# Altium PCB PCB_v1.PcbDoc (part 3 of 8)
Units mil, origin at the board's own origin, x right, y up, seen from the top; angles counter-clockwise.
Board outline 17000 x 5250 mil, 4 copper layers (Top Side, Ground Layer, Power Layer, Bottom Side), stack 33.2 mil thick; 637 components, 583 nets, 2779 pads, 978 vias.
Unrouted connection lines stored in the file: 104.
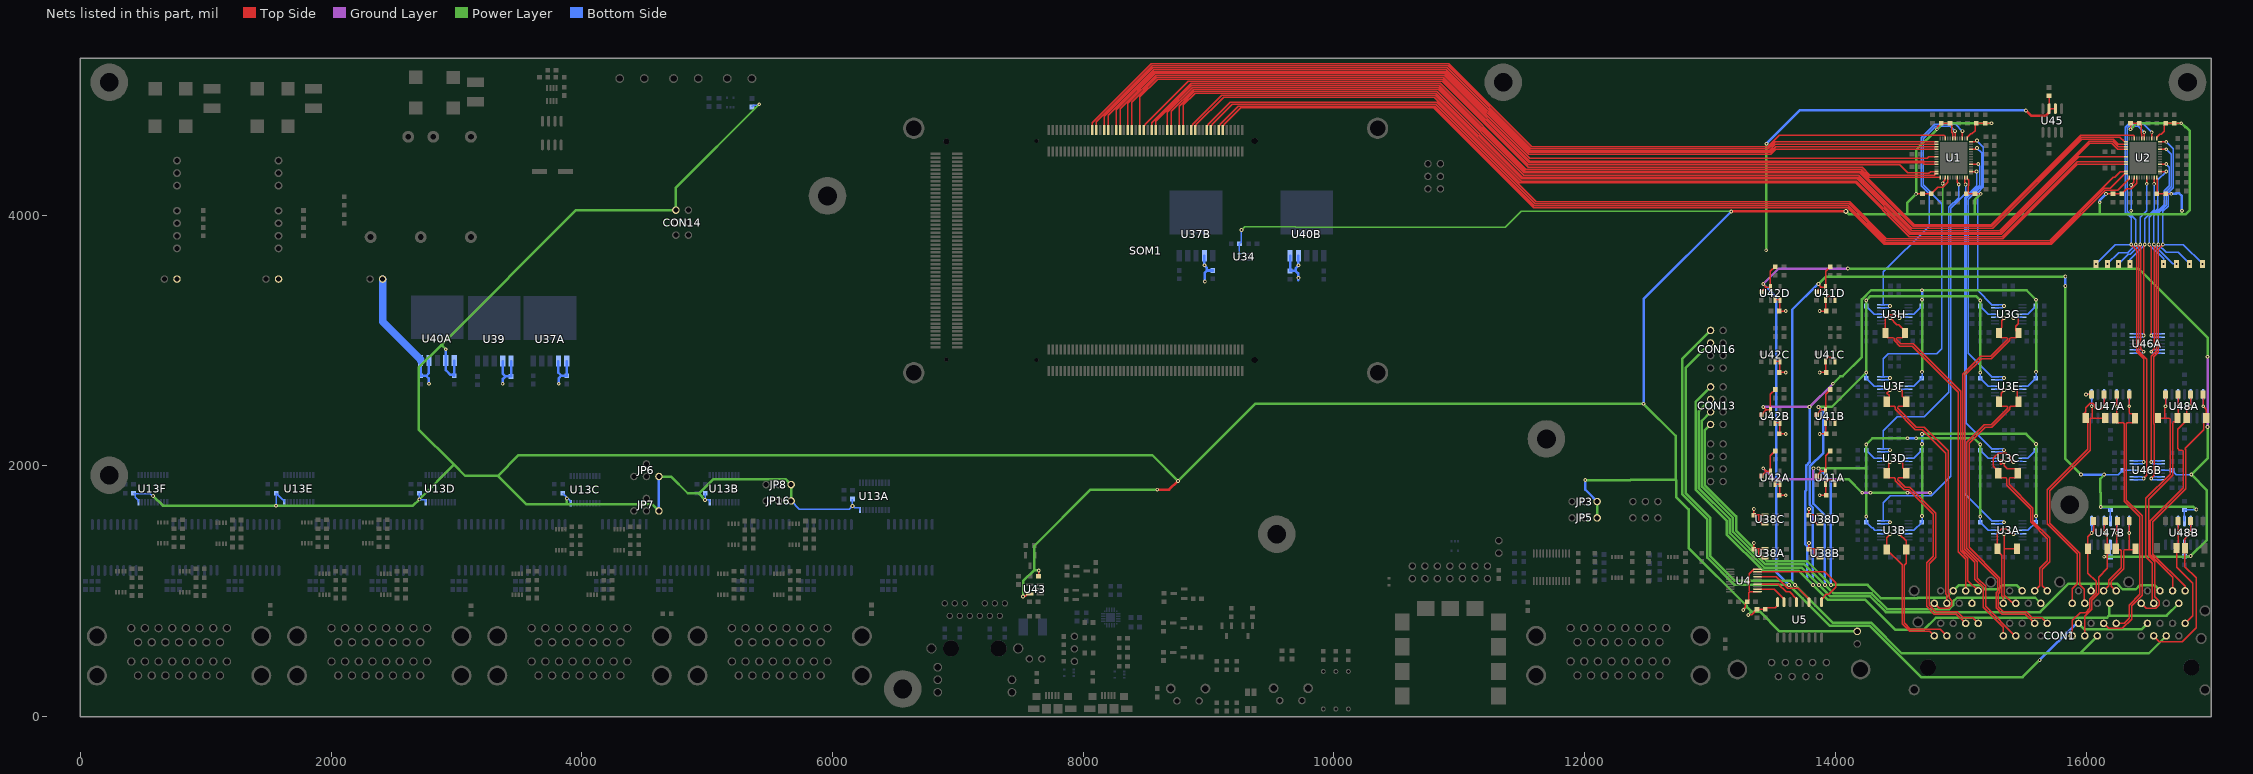
[diagram p5: the nets of this part, all layers, seen from the top]

## Via types
v1: diameter 30, hole 15, Top Side to Bottom Side, 913 vias
v2: diameter 25, hole 15, Top Side to Bottom Side, 30 vias
v3: diameter 60, hole 30, Top Side to Bottom Side, 29 vias
v4: diameter 50, hole 28, Top Side to Bottom Side, 4 vias
v5: diameter 40, hole 20, Top Side to Bottom Side, 2 vias

## Nets (pads, with @x,y where several pads share a name; then routed paths per layer and width w, separated by ;. In a path a pad name is that pad's centre, name@x,y a point inside that pad or via, vN(x,y) a via of type N, cw(c..) or ccw(c..) an arc to the next point about the centre after c; other vN are vias at no path point) (continued)
5.5V: C157A.1 C157B.1 C159A.1 C159B.1 C159C.1 C159D.1 C161.1 C163A.1 C163B.1 C177.1 JP14.1 U37A.1 U37A.2 U37B.2 U38A.1 U38A.3 U38B.1 U38B.3 U38C.1 U38C.3 U38D.1 U38D.3 U39.1 U39.2 U40A.4 U40A.5 U40B.4 U40B.5 U45.2 U45.3 | length 6903.9
  Top Side w10: C159A.1@13350,1335.87 13353.94,1339.8 13390,1339.8 ; C159A.1@13350,1339.8 v1(13350,1385) ; C159C.1@13350,1605.87 13353.94,1609.8 13390,1609.8 ; C159C.1@13350,1609.8 v1(13350,1655) ; U38A.3@13437.68,1265 13419.96,1265 13390,1294.96 13390,1339.8 ; U38A.1@13437.68,1339.8 13390,1339.8 ; U38C.3@13437.68,1535 13419.96,1535 13390,1564.96 13390,1609.8 ; U38C.1@13437.68,1609.8 13390,1609.8 ; C159B.1@13790,1335.87 13793.94,1339.8 13830,1339.8 ; C159B.1@13790,1339.8 v1(13790,1385) ; C159D.1@13790,1605.87 13793.94,1609.8 13830,1609.8 ; C159D.1@13790,1609.8 v1(13790,1655) ; U38B.3@13877.68,1265 13859.96,1265 13830,1294.96 13830,1339.8 ; U38B.1@13877.68,1339.8 13830,1339.8 ; U38D.3@13877.68,1535 13859.96,1535 13830,1564.96 13830,1609.8 ; U38D.1@13877.68,1609.8 13830,1609.8 ; U45.3@15705,4849.49 15705.25,4849.73 15705.25,4951.29 C177.1@15705,4951.54 ; U45.3@15705.25,4849.49 U45.2@15755.25,4849.49
  Top Side w20: v1(15520,4835) 15563.82,4791.18 15677.46,4791.18 15705.25,4818.97 U45.3@15705.25,4849.49
  Power Layer w20: v1(13448.4,3720) 13449.2,3720.8 13449.2,4569.2 v1(13450,4570)
  Bottom Side w20: U40A.5@2713.41,2840 C163A.1@2713.41,2718.46 2758.46,2718.46 ; v1(2780,2655) 2778.09,2656.91 2778.09,2698.84 2758.46,2718.46 ; U40A.4@2780.41,2840 2780.41,2740.41 2758.46,2718.46 ; v1(3368,2655) 3369.91,2656.91 3369.91,2693.38 3390,2713.46 ; U39.2@3368,2835.65 3368,2735.46 3390,2713.46 ; U39.1@3435,2835.65 C161.1@3435,2713.46 3390,2713.46 ; U37A.2@3813,2835.65 3813,2742.54 3835.54,2719.99 ; v1(3816,2655) 3816,2700.45 3835.54,2719.99 ; U37A.1@3880,2835.65 C157A.1@3880,2719.99 3835.54,2719.99 ; U37B.2@8967.02,3676.54 8967.02,3597.29 8987.17,3577.15 8987.17,3558.46 ; v1(8970.02,3470) 8970.02,3541.32 8987.17,3558.46 ; C157B.1@9034.02,3558.46 8987.17,3558.46 ; U40B.5@9649.88,3676.54 C163B.1@9649.88,3555 9694.94,3555 ; 9716.88,3481.66 v1(9716.88,3500) 9714.97,3501.91 9714.97,3534.97 9694.94,3555 ; U40B.4@9716.88,3676.54 9716.88,3597.29 9694.94,3575.35 9694.94,3555 ; v1(13450,4570) 13715,4835 v1(15520,4835)
  Bottom Side w60: JP14.1@2410,3490 2410,3149.41 2713.41,2846 U40A.5@2713.41,2840
  other v1: 8967.02,3600 9716.88,3600
5V: C3.1 C4.1 C8.1 C9.1 C13.1 C14.1 C17.1 C18.1 C26.1 C27.1 C33.1 C34.1 C39.1 C40.1 C45.1 C46.1 C53.1 C54.1 C55.1 C86.1 C91A.1 C91B.1 C91C.1 C91D.1 C91E.1 C91F.1 C164A.1 CON14.5 JP1.1 JP3.3 JP5.3 JP6.3 JP7.3 JP8.3 JP16.3 R13.1 R45.2 U1.15 U1.21 U1.43 U1.44 U1.52 U2.15 U2.21 U2.43 U2.44 U2.52 U4.1 U4.10 U5.16 U13A.20 U13B.20 U13C.20 U13D.20 U13E.20 U13F.20 U34.6 U40A.1 U40A.2 U43.5 | length 44359.7
  Top Side w10: v1(7520,957.02) 7523.83,960.85 7538.21,960.85 7554.96,977.6 U43.5@7572.68,977.6 ; R45.2@7643.46,1120 7645,1121.54 v1(7645,1165) ; v1(13265,850) 13265,855.41 13282.83,873.25 13282.83,901.54 C54.1@13296.54,915.24 13310.24,928.94 13310.24,988.31 13318.58,996.65 ; v1(13305,810) 13308.83,813.83 13333.7,813.83 C55.1@13375,855.12 C53.1@13440,855.12 13453.7,868.82 13519.72,868.82 13540,889.11 U5.16@13540,912.98 ; U4.1@13379.25,996.65 13318.58,996.65 ; U4.10@13379.25,1173.82 13350.22,1173.82 13346.44,1170.04 13344.12,1170.04 13312.72,1138.64 13312.72,1002.51 13318.58,996.65 ; v1(14645,4170) C14.1@14695,4170 C13.1@14765,4170 14816.83,4221.83 14856.66,4221.83 14895.79,4260.97 U1.44@14895.79,4301.04 ; v1(14810,4685) 14813.83,4688.83 14813.83,4701.9 C4.1@14845,4733.07 C3.1@14915,4733.07 14928.7,4719.37 14928.7,4660.94 14935.16,4654.49 U1.21@14935.16,4612.04 ; v1(14856.42,4253.41) 14856.42,4258.83 14874.39,4276.8 14874.39,4289.32 14876.1,4291.04 U1.43@14876.1,4301.04 ; U1.52@15053.27,4301.04 15053.27,4291.04 15065,4279.3 15065,4234.64 15058.7,4228.35 15058.7,4183.7 C18.1@15045,4170 C17.1@15115,4170 v1(15160,4170) ; U1.15@15053.27,4612.04 15053.27,4622.04 15080.07,4648.84 15089.2,4648.84 15115,4674.64 15115,4723.07 C8.1@15125,4733.07 C9.1@15195,4733.07 v1(15245,4733.07) ; v1(16160,4170) C39.1@16215,4170 C40.1@16285,4170 16325,4210 16361.82,4210 16405.79,4253.97 U2.44@16405.79,4301.04 ; v1(16355,4685) C34.1@16355,4733.07 C33.1@16425,4733.07 16438.7,4719.37 16438.7,4651.46 16445.16,4645 U2.21@16445.16,4612.04 ; v1(16360,4240) 16382.42,4262.42 16382.42,4287.35 16386.1,4291.04 U2.43@16386.1,4301.04 ; U2.52@16563.27,4301.04 16563.27,4291.04 16568.58,4285.72 16568.58,4173.58 C46.1@16565,4170 C45.1@16635,4170 v1(16680,4170) ; U2.15@16563.27,4612.04 16563.27,4622.04 16587.57,4646.34 16601.7,4646.34 16625,4669.64 16625,4723.07 C27.1@16635,4733.07 C26.1@16705,4733.07 v1(16760,4733.07)
  Top Side w20: v1(8590,1810) 8685.31,1810 v1(8755.31,1880) ; v1(13170,4030) v5(14085,4030)
  Power Layer w10: v1(9263.11,3881.54) 9288.11,3906.54 9694.72,3906.54 9697.31,3903.94 11367.92,3903.94 11493.98,4030 v1(13170,4030) ; v1(14856.42,4253.41) 14858.07,4251.76 14858.07,4006 ; 16360,4006 v1(16360,4035)
  Power Layer w20: v1(580,1760) 657.98,1682.02 v1@1557.98,1682.02 ; v1@1562.02,1682.02 2652.73,1682.02 v1(2703.31,1732.6) 2703.31,1733.31 2979.99,2009.99 ; v1@2916.32,2931.91 v1(2914.41,2930) 2880,2964.41 2880,2965.69 ; v1(3880,1740) 3878.09,1738.09 3878.09,1696.43 3876.65,1695 ; JP7.3@4615,1640 4560,1695 3876.65,1695 ; JP6.3@4615,1914.99 4710.94,1914.99 4844.62,1781.31 4929.74,1781.31 ; v1(4983.31,1727.74) 4933.02,1778.02 5050,1895 5624.83,1895 JP8.3@5669.83,1850 5669.91,1849.91 5669.91,1720.09 JP16.3@5670,1720 ; v1(5415,4885) 4750,4220 CON14.5@4750,4040 3954.31,4040 2880,2965.69 ; v1(7520,957.02) 7520,1080 7610,1170 ; v1(7645,1165) 7643.09,1166.91 7613.09,1166.91 7610,1170 ; v1(8590,1810) 8057.57,1810 7610,1362.43 7610,1170 ; v1(12005,1887) 12364.85,1887 12367.85,1890 12725,1890 ; JP5.3@12100,1585 JP3.3@12100,1715 ; v1(13265,850) 13291.54,876.54 ; v1(13305,810) 13331.54,836.54 ; v5(14085,4030) 14109,4006 14575,4006 ; JP1.1@14175,680 13555.77,680 13399.23,836.54 13331.54,836.54 ; v1(15160,4170) 15111.29,4121.29 15111.29,4006 ; v1(15245,4733.07) 14858.07,4733.07 v1(14810,4685) 14645,4520 v1(14645,4170) 14575,4100 14575,4006 ; v1(16110,4103.07) 16110,4006 ; v1(16355,4685) 16403.07,4733.07 v1(16760,4733.07) 16761.08,4733.07 16792.36,4701.79 16799.1,4701.79 16828.46,4672.43 16828.46,4041.18 16793.28,4006 16765,4006 ; v1(16765,4035) 16765,4006 ; 2880,2965.69 2698.41,2784.1 2698.41,2291.58 2979.99,2009.99 ; 2979.99,2009.99 3070,1919.99 3329.99,1919.99 ; 3329.99,1919.99 3494.99,2084.99 8550.32,2084.99 v1(8755.31,1880) 9370.31,2495 v1(12470,2495) 12725,2240 12725,1890 ; 3329.99,1919.99 3554.98,1695 3876.65,1695 ; 12725,1890 12730,1885 12730,1751.9 12830,1651.9 12830,1345.15 13291.54,883.61 13291.54,876.54 ; 13291.54,876.54 13331.54,836.54 ; 14575,4006 14858.07,4006 15111.29,4006 ; 15111.29,4006 16110,4006 ; 16110,4006 16360,4006 16765,4006
  Bottom Side w10: C91F.1@423.09,1782.6 C91F.1@428.51,1777.18 ; U13F.20@462.72,1709.09 462.72,1724.84 436.8,1750.76 436.8,1768.9 C91F.1@428.51,1777.18 ; v1(580,1760) 574.59,1760 557.41,1777.18 C91F.1@428.51,1777.18 ; v1(1560,1682.02) 1560,1781.43 C91E.1@1561.17,1782.6 1615.06,1728.7 1622.09,1728.7 1625.94,1724.84 U13E.20@1625.94,1709.09 ; v1(2703.31,1732.6) 2703.31,1781.67 C91D.1@2704.24,1782.6 ; v1@2712.62,1728.7 2750.91,1728.7 2754.76,1724.84 U13D.20@2754.76,1709.09 ; C91C.1@3847.31,1782.6 3876.17,1753.73 3876.17,1743.87 3883.87,1736.17 3892.02,1736.17 3910.94,1717.24 U13C.20@3910.94,1709.09 ; C91B.1@4985.38,1782.6 4983.31,1780.53 4983.31,1732.6 4988.17,1727.74 5016.17,1727.74 5020.02,1723.88 U13B.20@5020.02,1709.09 U13B.20@5020.02,1708.35 ; R13.1@5356.85,4863.07 5370.55,4876.77 5401.36,4876.77 ; JP16.3@5670,1720 5735.04,1654.96 6133.31,1654.96 v1(6158.31,1679.96) ; C91A.1@6158.45,1734.96 6158.31,1734.82 v1(6158.31,1679.96) ; U13A.20@6218.24,1646.5 6218.24,1662.24 6214.39,1666.1 6177.58,1666.1 6163.72,1679.96 v1(6158.31,1679.96) ; U34.6@9245.71,3692.13 9245.71,3770.67 C86.1@9246.58,3771.54 9260.28,3785.24 9260.28,3878.7 v1(9263.11,3881.54) ; v1(16360,4035) v1(16360,4240)
  Bottom Side w20: v1(2914.41,2930) U40A.2@2914.41,2840 2914.41,2764.67 2952.71,2726.37 2973.5,2726.37 C164A.1@2981.41,2718.46 U40A.1@2981.41,2840 ; JP7.3@4615,1640 JP6.3@4615,1914.99 ; v1(12005,1887) 12005,1810 JP3.3@12100,1715 ; v1(12470,2495) 12470,3330 v1(13170,4030) ; v1(16110,4103.07) 16110,4120 v1(16160,4170) ; v1(16680,4170) 16681.91,4171.91 16717.94,4171.91 16719.11,4173.08 16743.96,4173.08 16765,4152.04 v1(16765,4035)
+15VA: C166C.2 C179A.1 C183A.1 C187A.1 CON1.3E CON1.3F CON16.1 R38C.2 U41C.5 U46A.4 U47A.11 U48A.11 | length 10673.4
  Top Side w10: C166C.2@13850,2898.46 13888.11,2936.57 ; v1(13865,2960) 13865,2959.68 13888.11,2936.57 ; R38C.2@13960,3098.46 13922.6,3061.06 U41C.5@13922.6,2936.57 13888.11,2936.57
  Top Side w20: v1(14180,2930) v1(14605,2930)
  Power Layer w20: CON16.1@13005,2780 12857,2632 12857,1803.09 13054,1606.09 13054,1300.75 13219.75,1135 13688.57,1135 v1(13773.57,1050) 13917.57,906 14222,906 v1(14430,698) ; v1(13865,2960) 14147.29,2960 14177.29,2930 v1(14180,2930) ; v1(14825.16,2945) v1(15105,2945) ; v1(16145,2940) 16110,2905 16110,2692.71 16140,2662.71 v1(16140,2660) v1(16735,2660)
  Bottom Side w10: v1(16140,2660) 16193.46,2660 C179A.1@16195,2661.54 U47A.11@16195,2570 ; v1(16145,2940) 16258.46,2940 C187A.1@16293.46,2975 16293.98,2975.51 U46A.4@16380.75,2975.51 ; v1(16735,2660) C183A.1@16785,2660 U48A.11@16785,2570
  Bottom Side w20: v1(13773.57,1050) 13705,1118.57 13705,2230.57 13765,2290.57 13765,2482.43 13905,2622.43 13905,2920 v1(13865,2960) ; v1(14430,698) 14603,525 14990.16,525 ; v1(14605,2930) 14807.45,2930 14822.45,2945 v1(14825.16,2945) ; CON1.3E@14990.16,643 14990.16,525 ; v1(15105,2945) 16137.29,2945 16142.29,2940 v1(16145,2940) ; CON1.3F@15540.16,643 15422.16,525 14990.16,525
+15VA: C166A.2 C189A.1 C189B.1 C189C.1 C189D.1 CON1.3A CON1.3B CON13.1 R38A.2 U3A.4 U3B.4 U3C.4 U3D.4 U41A.5 | length 8072.7
  Top Side w10: C166A.2@13850,1918.46 13888.11,1956.57 ; v1(13865,1980) 13865,1979.68 13888.11,1956.57 ; R38A.2@13960,2118.46 13922.6,2081.06 U41A.5@13922.6,1956.57 13888.11,1956.57
  Power Layer w20: CON13.1@13005,2330 12960,2285 12960,1844.34 13207.79,1596.56 13207.79,1484.79 13453.64,1238.94 13776.06,1238.94 v1(13965,1050) 14257.57,1050 14364.02,943.55 14653.89,943.55 14658.18,947.84 14885.16,947.84 14985.16,1047.84 15158.8,1047.84 15193.01,1013.63 15296.57,1013.63 15330.78,1047.84 15445.16,1047.84 CON1.3B@15490.16,1002.84 ; v1(13865,1980) 14246.63,1980 ; v1(14246.63,1595) 14246.63,1980 ; v1(14575,2220) 14296.63,2220 v1(14246.63,2170) 14246.63,1980 ; v1(14645,2220) 15106.63,2220 v1(15156.63,2170) v1(15156.63,1595)
  Bottom Side w10: v1(14246.63,1595) C189B.1@14246.63,1550 14291.63,1505 14297.69,1505 14316.44,1486.25 14363.01,1486.25 U3B.4@14363.92,1485.35 ; v1(14246.63,2170) C189D.1@14246.63,2125 14311.28,2060.35 U3D.4@14363.92,2060.35 ; v1(15156.63,1595) C189A.1@15156.63,1550 15221.28,1485.35 U3A.4@15273.92,1485.35 ; v1(15156.63,2170) C189C.1@15156.63,2125 15221.28,2060.35 U3C.4@15273.92,2060.35
  Bottom Side w20: v1(13865,1980) 13965,1880 v1(13965,1050) ; v1(14575,2220) v1(14645,2220)
+15VB: C166D.2 C179B.1 C183B.1 C187B.1 CON1.3G CON1.3H CON16.5 R38D.2 U41D.5 U46B.4 U47B.11 U48B.11 | length 14345.5
  Top Side w10: C166D.2@13850,3388.46 13888.11,3426.57 ; v1(13865,3450) 13865,3449.68 13888.11,3426.57 ; R38D.2@13960,3588.46 13922.6,3551.06 U41D.5@13922.6,3426.57 13888.11,3426.57
  Power Layer w20: CON16.5@13005,2980 12805,2780 12805,1782.97 13004,1583.97 13004,1277.21 13198.21,1083 13644.86,1083 13977.86,750 14283.77,750 14530.15,503.62 15950.77,503.62 ; v1(13865,3450) 13925,3510 v1(15835,3510) ; v1(15835,3435) 15835,2055 v1(15960,1930) ; CON1.3G@16090.16,643 15950.77,503.62 ; v1(16145,1930) 16145,1927.29 16115,1897.29 16115,1787.5 16117.5,1785 v1(16117.5,1672.5) 16856.33,1672.5 16877.29,1651.54 v1(16880,1651.54) ; CON1.3H@16640.16,643 16500.77,503.62 15950.77,503.62
  Bottom Side w10: v1(16117.5,1672.5) 16122.91,1672.5 16130.18,1665.24 16181.3,1665.24 C179B.1@16195,1651.54 U47B.11@16195,1560 ; v1(16145,1930) 16258.46,1930 16293.98,1965.51 U46B.4@16380.75,1965.51 ; U48B.11@16785,1560 C183B.1@16785,1650 16786.54,1651.54 v1(16880,1651.54)
  Bottom Side w20: v1(13677.86,1050) 13677.86,1052.71 13655,1075.56 13655,3245.43 13857.66,3448.09 13863.09,3448.09 v1(13865,3450) ; v1(15835,3435) v1(15835,3510) ; v1(15960,1930) v1(16145,1930)
+15VE: C166B.2 C189E.1 C189F.1 C189G.1 C189H.1 CON1.3C CON1.3D CON13.5 R38B.2 U3E.4 U3F.4 U3G.4 U3H.4 U41B.5 | length 10257.5
  Top Side w10: C166B.2@13850,2408.46 13888.11,2446.57 ; v1(13865,2470) 13865,2469.68 13888.11,2446.57 ; R38B.2@13960,2608.46 13922.6,2571.06 U41B.5@13922.6,2446.57 13888.11,2446.57
  Power Layer w20: CON13.5@13005,2530 12910,2435 12910,1823.63 13157.79,1575.85 13157.79,1464.08 13432.93,1188.94 13730.35,1188.94 13961.29,958 14278.86,958 14404.02,832.84 15633.93,832.84 15861.09,1060 16040,1060 ; v1(13865,2470) 13971.63,2470 v1(14246.63,2745) v1(14246.63,3320) 14281.63,3355 15121.63,3355 v1(15156.63,3320) v1(15156.63,2745) ; CON1.3C@16040.16,1002.84 16040,1003 16040,1060 ; CON1.3D@16590.16,1002.84 16545.16,1047.84 16430.78,1047.84 16396.57,1013.63 16293.01,1013.63 16246.64,1060 16040,1060
  Bottom Side w10: v1(14246.63,2745) C189F.1@14246.63,2700 14311.28,2635.35 U3F.4@14363.92,2635.35 ; v1(14246.63,3320) C189H.1@14246.63,3275 14311.28,3210.35 U3H.4@14363.92,3210.35 ; v1(15156.63,2745) C189E.1@15156.63,2700 15221.28,2635.35 U3E.4@15273.92,2635.35 ; v1(15156.63,3320) C189G.1@15156.63,3275 15221.28,3210.35 U3G.4@15273.92,3210.35
  Bottom Side w20: v1(13865,2470) 13905,2430 13905,2103.84 13795,1993.84 13795,1692.43 13820,1667.43 13820,1099.29 v1(13869.29,1050)
+16V: C165A.2 C165B.2 C165C.2 C165D.2 JP13.1 U41A.1 U41A.3 U41B.1 U41B.3 U41C.1 U41C.3 U41D.1 U41D.3 | length 1039
  Top Side w10: v1(13875,1765) C165A.2@13926.54,1765 13922.6,1768.94 13922.6,1865.24 13936.87,1879.51 13936.87,1880.66 13943.65,1887.44 13976.35,1887.44 13990.2,1873.59 13990.2,1860.63 U41A.3@13997.4,1853.43 ; v1(13875,2255) C165B.2@13926.54,2255 13922.6,2258.94 13922.6,2355.24 13936.87,2369.51 13936.87,2370.66 13943.65,2377.44 13976.35,2377.44 13990.2,2363.59 13990.2,2350.63 U41B.3@13997.4,2343.43 ; v1(13875,2745) C165C.2@13926.54,2745 13922.6,2748.94 13922.6,2845.24 13936.87,2859.51 13936.87,2860.66 13943.65,2867.44 13976.35,2867.44 13990.2,2853.59 13990.2,2840.63 U41C.3@13997.4,2833.43 ; v1(13875,3235) C165D.2@13926.54,3235 13922.6,3238.94 13922.6,3335.24 13936.87,3349.51 13936.87,3350.66 13943.65,3357.44 13976.35,3357.44 13990.2,3343.59 13990.2,3330.63 U41D.3@13997.4,3323.43
-15VA: C168C.1 C180A.1 C184A.1 C188A.1 CON1.5E CON1.5F CON16.3 R41C.1 U42C.5 U46A.11 U47A.4 U48A.4 | length 12870.3
  Top Side w10: C168C.1@13410,2898.46 13448.11,2936.57 ; v1(13425,2960) 13425,2959.68 13448.11,2936.57 ; R41C.1@13520,3098.46 13482.6,3061.06 U42C.5@13482.6,2936.57 13448.11,2936.57
  Ground Layer w20: v1(13425,2960) 13495,3030 v1(14085,3030)
  Power Layer w20: CON16.3@13005,2880 12832,2707 12832,1791.32 13029,1594.32 13029,1290.4 13209.4,1110 13665.71,1110 13917.67,858.04 14211.08,858.04 14401.12,668 14718.36,668 14738.36,688 14785.16,688 CON1.5E@14840.16,743 14885.16,698 15345.16,698 CON1.5F@15390.16,743 ; v1(14085,3030) 14085,3265.79 14284.21,3465 16492.43,3465 16785,3172.43 16785,2995 16965,2815 16965,2420 v1(16835,2290) 16832.29,2290 16827.29,2285 v1(16145,2285)
  Bottom Side w10: v1(16145,2285) 16193.46,2285 C180A.1@16195,2283.46 U47A.4@16195,2381.02 ; U46A.11@16599.25,2975.51 16686.02,2975.51 16721.54,2940 v1(16840,2940) ; U48A.4@16785,2381.02 C184A.1@16785,2288.46 16786.54,2290 v1(16835,2290)
  Bottom Side w20: v1(13725.71,1050) 13680,1095.71 13680,2432.78 13835,2587.78 v1(13835,3030)
-15VA: C168A.1 C190A.1 C190B.1 C190C.1 C190D.1 CON1.5A CON1.5B CON13.3 R41A.1 U3A.11 U3B.11 U3C.11 U3D.11 U42A.5 | length 9657.7
  Top Side w10: C168A.1@13410,1918.46 13448.11,1956.57 ; v1(13425,1980) 13425,1979.68 13448.11,1956.57 ; R41A.1@13520,2118.46 13482.6,2081.06 U42A.5@13482.6,1956.57 13448.11,1956.57
  Ground Layer w20: v1(13425,1980) 13510,1895 13825,1895 ; v1(13825,1980) 13825,1895 ; v1(14035,1895) 13825,1895 ; v1(14215,1785) v1(14280,1785) ; v1(14575,1785) v1(14755,1785)
  Power Layer w20: CON13.3@13005,2430 12935,2360 12935,1833.99 13182.79,1586.2 13182.79,1474.43 13443.28,1213.94 13753.21,1213.94 13984.14,983 14289.22,983 14414.38,857.84 14908.8,857.84 14940.16,889.2 14940.16,916.48 14971.52,947.84 15091.63,947.84 ; v1(14035,1895) 14105,1895 v1(14215,1785) ; v1(14280,1785) v1(14575,1785) ; v1(14691.63,1600) 14691.63,1785 ; v1(14691.63,2175) 14691.63,1785 ; v1(14691.63,2255) 15521.63,2255 v1(15601.63,2175) v1(15601.63,1600) ; v1(14755,1785) 14691.63,1785 ; CON1.5A@15090.16,902.84 15091.63,904.32 15091.63,947.84 ; CON1.5B@15640.16,902.84 15595.16,947.84 15091.63,947.84
  Bottom Side w10: U3B.11@14582.42,1485.35 14583.33,1486.25 14625.96,1486.25 14691.63,1551.93 v1(14691.63,1600) ; U3D.11@14582.42,2060.35 14583.33,2061.25 14625.96,2061.25 14691.63,2126.93 14691.63,2171.14 v1@14689.7,2173.07 ; U3A.11@15492.42,1485.35 15493.33,1486.25 15535.96,1486.25 15601.63,1551.93 v1(15601.63,1600) ; U3C.11@15492.42,2060.35 15493.33,2061.25 15535.96,2061.25 15601.63,2126.93 v1(15601.63,2175)
  Bottom Side w20: v1(13825,1980) 13825,1697.78 13917.14,1605.64 v1(13917.14,1050) ; v1@14689.7,2173.07 v1(14691.63,2175) v1(14691.63,2255)
-15VB: C168D.1 C180B.1 C184B.1 C188B.1 CON1.5G CON1.5H CON16.7 R41D.1 U42D.5 U46B.11 U47B.4 U48B.4 | length 15859
  Top Side w10: C168D.1@13410,3388.46 13448.11,3426.57 ; v1(13425,3450) 13425,3449.68 13448.11,3426.57 ; R41D.1@13520,3588.46 13482.6,3551.06 U42D.5@13482.6,3426.57 13448.11,3426.57
  Ground Layer w20: v1(13425,3450) 13548.9,3573.9 v1(14100,3573.9) ; v1(16970,2310) v1(16970,2870)
  Power Layer w20: CON16.7@13005,3080 12780,2855 12780,1772.61 12979,1573.61 12979,1266.86 13195.86,1050 v1(13630,1050) 13955,725 14273.41,725 14684.39,314.02 15494.02,314.02 v1(15630,450) ; v1(14100,3573.9) 16418.88,3573.9 16970,3022.78 v1(16970,2870) ; CON1.5G@15940.16,743 15985.16,698 16445.16,698 CON1.5H@16490.16,743 ; v1(16145,1275) 16827.29,1275 16832.29,1280 v1(16835,1280) 16965,1410 16965,1805 v1(16840,1930) 16970,2060 v1(16970,2310)
  Bottom Side w10: v1(16145,1275) 16193.46,1275 C180B.1@16195,1273.46 U47B.4@16195,1371.02 ; U46B.11@16599.25,1965.51 16686.02,1965.51 C188B.1@16686.54,1965 16721.54,1930 v1(16840,1930) ; U48B.4@16785,1371.02 C184B.1@16785,1278.46 16786.54,1280 v1(16835,1280)
  Bottom Side w20: v1(13425,3450) 13527.5,3347.5 13527.5,1152.5 v1(13630,1050) ; v1(15630,450) 15923,743 CON1.5G@15940.16,743
-15VE: C168B.1 C190E.1 C190F.1 C190G.1 C190H.1 CON1.5C CON1.5D CON13.7 R41B.1 U3E.11 U3F.11 U3G.11 U3H.11 U42B.5 | length 12023.3
  Top Side w10: C168B.1@13410,2408.46 13448.11,2446.57 ; v1(13425,2470) 13425,2469.68 13448.11,2446.57 ; R41B.1@13520,2608.46 13482.6,2571.06 U42B.5@13482.6,2446.57 13448.11,2446.57
  Ground Layer w20: v1(13425,2470) v1(13795,2470) v1(13980,2655)
  Power Layer w20: CON13.7@13005,2630 12885,2510 12885,1810.45 13132.79,1562.66 13132.79,1453.72 13422.57,1163.94 13707.49,1163.94 13940.43,931 14239.43,931 14476.88,693.55 14708.55,693.55 14803,788 16168,788 16185,805 ; v1(13980,2655) 14040,2715 14057.43,2715 14211.63,2869.21 14211.63,3327.43 14285.21,3401 15525.63,3401 v1(15601.63,3325) v1(15601.63,2750) ; v1(14691.63,2750) v1(14691.63,3325) ; CON1.5C@16190.16,902.84 16185,897.68 16185,805 ; CON1.5D@16740.16,902.84 16642.31,805 16185,805
  Bottom Side w10: U3F.11@14582.42,2635.35 14583.33,2636.25 14625.96,2636.25 14691.63,2701.93 v1(14691.63,2750) ; U3H.11@14582.42,3210.35 14583.33,3211.25 14625.96,3211.25 14691.63,3276.93 14691.63,3321.14 v1@14689.7,3323.07 ; U3E.11@15492.42,2635.35 15493.33,2636.25 15535.96,2636.25 15601.63,2701.93 v1(15601.63,2750) ; U3G.11@15492.42,3210.35 15493.33,3211.25 15535.96,3211.25 15601.63,3276.93 v1(15601.63,3325)
  Bottom Side w20: v1(13795,2470) 13795,2029.2 13770,2004.2 13770,1805.57 13760,1795.57 13760,1372.57 13776,1356.57 13776,1095.43 v1(13821.43,1050) ; v1@14689.7,3323.07 v1@14690,3323.37 ; v1(14691.63,3325) 14691.82,3325.18 14691.82,3400.82 v1(14692,3401)
-16V: C167A.1 C167B.1 C167C.1 C167D.1 JP10.2 U42A.2 U42A.3 U42B.2 U42B.3 U42C.2 U42C.3 U42D.2 U42D.3 | length 700.2
  Top Side w10: U42A.2@13520,1853.43 U42A.3@13557.4,1853.43 13557.4,1768.94 C167A.1@13553.46,1765 ; U42B.2@13520,2343.43 U42B.3@13557.4,2343.43 13557.4,2258.94 C167B.1@13553.46,2255 ; U42C.2@13520,2833.43 U42C.3@13557.4,2833.43 13557.4,2748.94 C167C.1@13553.46,2745 ; U42D.2@13520,3323.43 U42D.3@13557.4,3323.43 13557.4,3238.94 C167D.1@13553.46,3235 ; C167A.1@13557.4,1765 v1(13605,1765) ; C167B.1@13557.4,2255 v1(13605,2255) ; C167C.1@13557.4,2745 v1(13605,2745) ; C167D.1@13557.4,3235 v1(13605,3235)
ADC1_CLKOUT: SOM1.JX1-37 U1.33 | length 7086.7
  Top Side w10: SOM1.JX1-37@8293.58,4680 8293.58,4850.26 8574.32,5131 10885.34,5131 11561.34,4455 14735.36,4455 14746.73,4466.38 U1.33@14809,4466.38
ADC1_CNV: SOM1.JX1-23 U1.24 | length 7386.3
  Top Side w10: SOM1.JX1-23@8073.11,4680 8073.11,4735.86 8543.25,5206 10916.4,5206 11577.4,4545 13460.36,4545 13553.39,4638.04 14866.56,4638.04 14875.1,4629.49 14875.1,4613.04 U1.24@14876.1,4612.04